# Altium PCB Meter50_v6.PcbDoc (part 3 of 3)
Units mil, origin at the board's own origin, x right, y up, seen from the top; angles counter-clockwise.
Board outline 6230.47 x 4006.06 mil, 2 copper layers (Top Layer, Top, Bottom Layer, Bottom); 337 components, 363 nets, 1191 pads, 241 vias.
Unrouted connection lines stored in the file: 2.
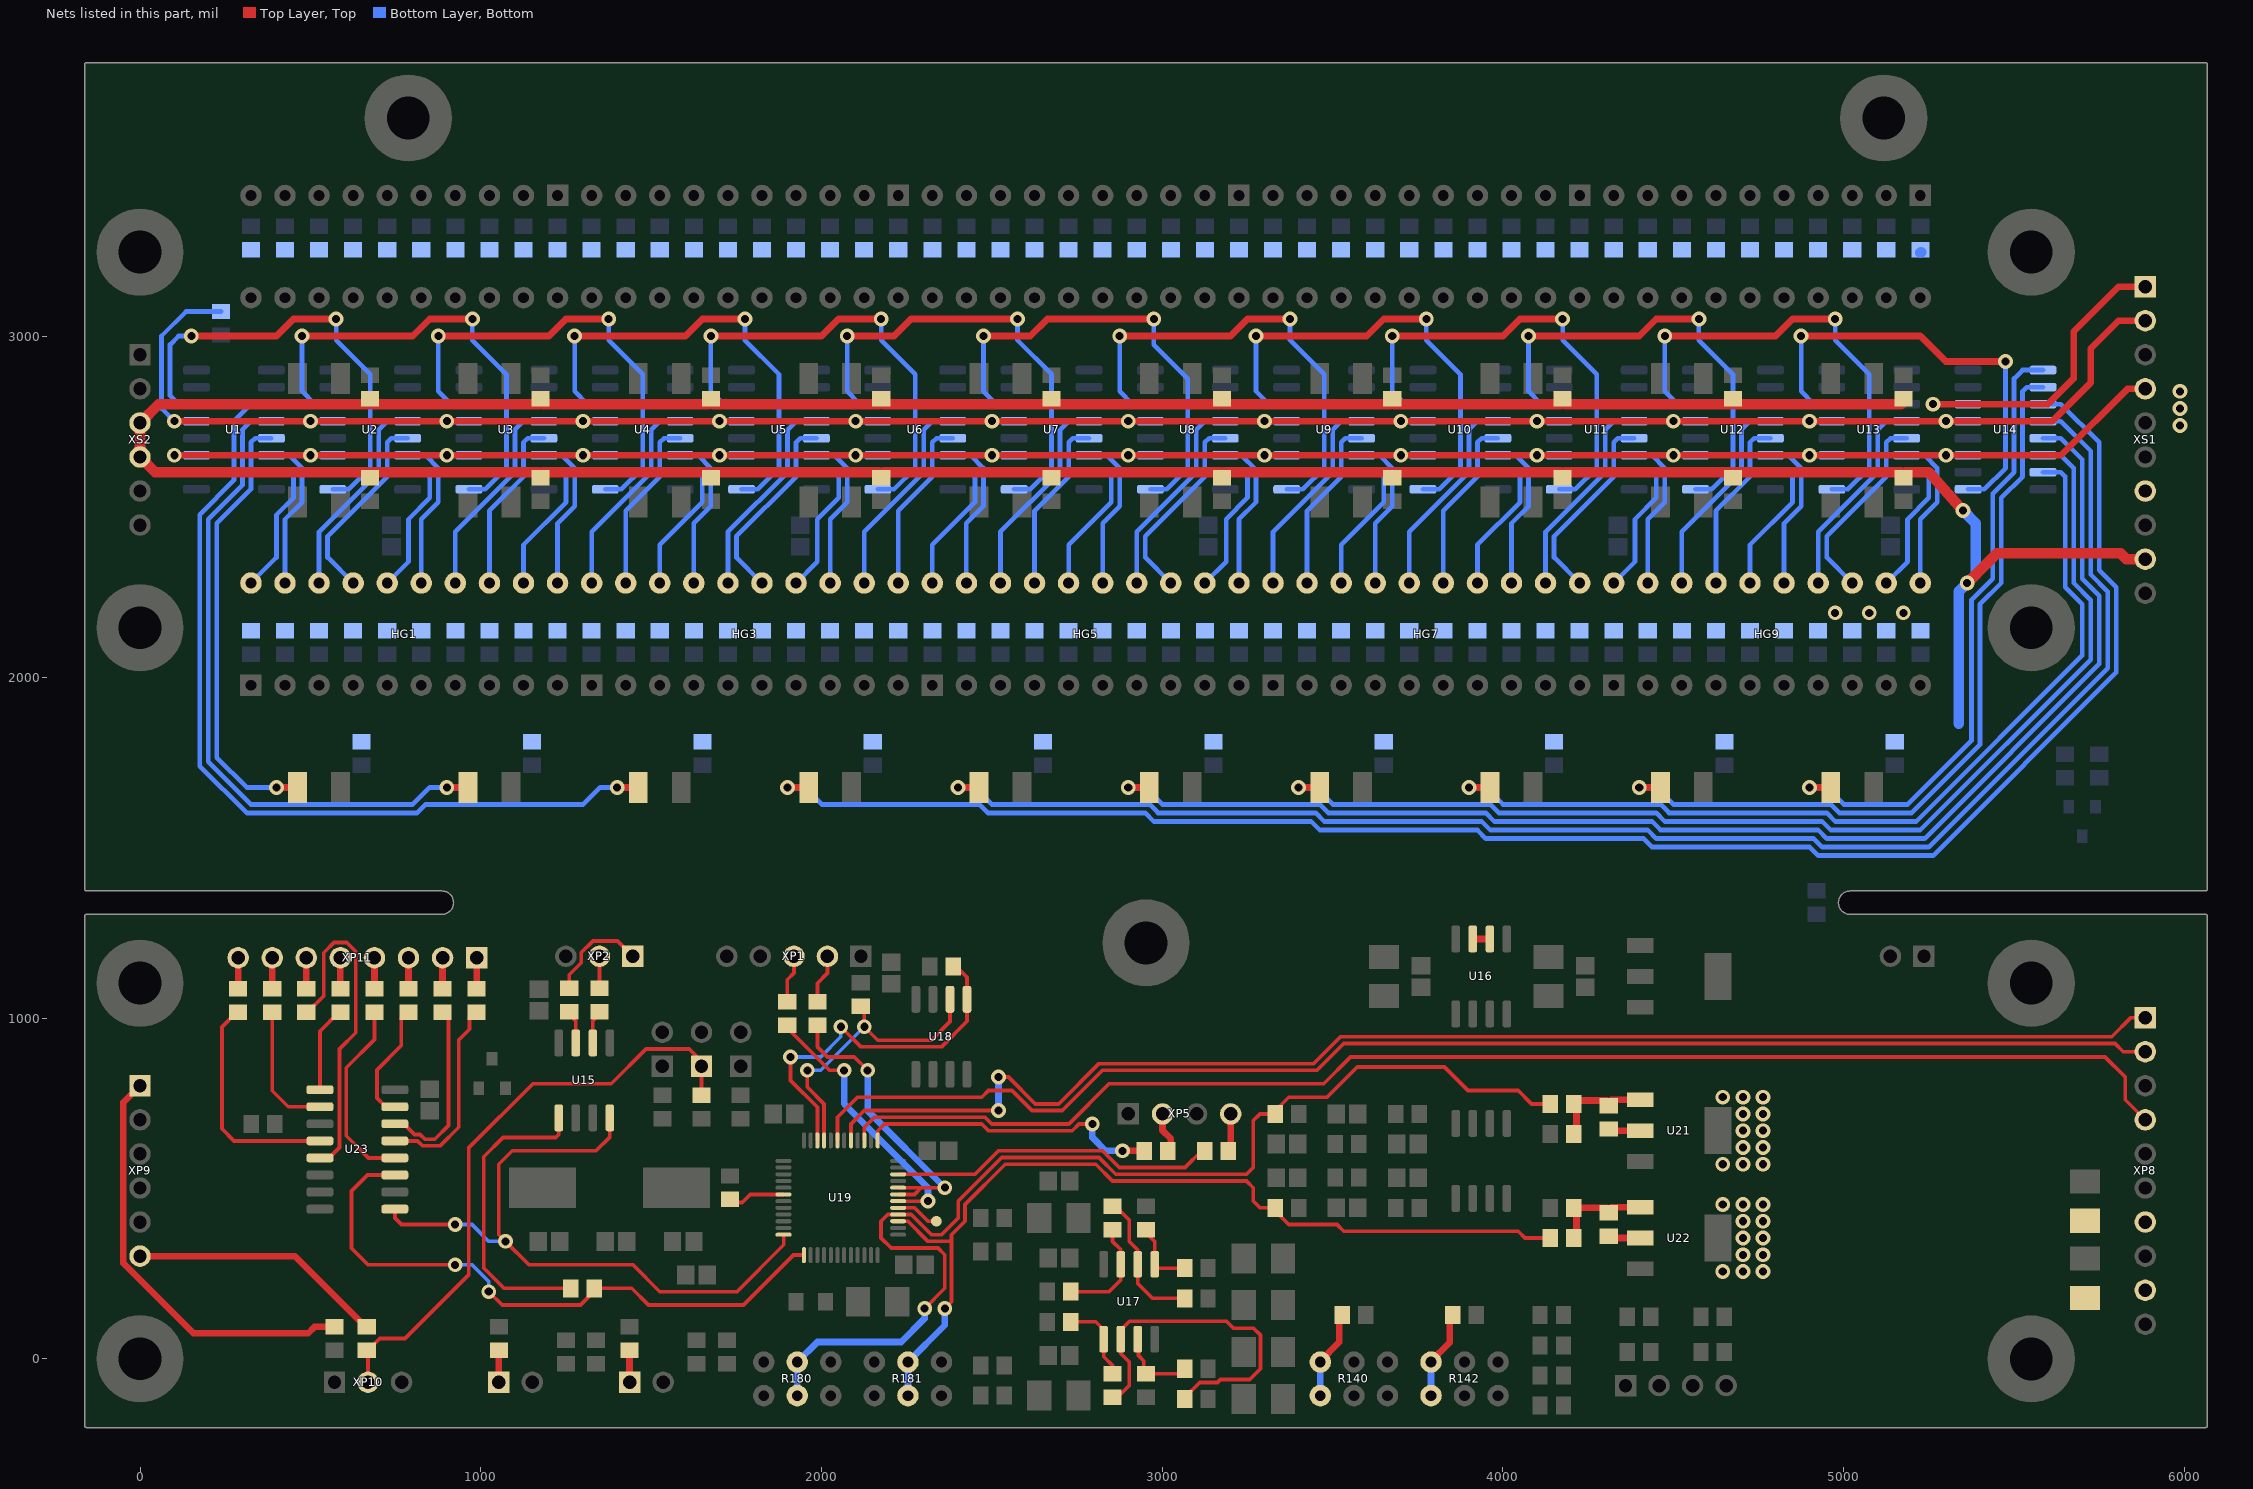
[diagram p3: the nets of this part, all layers, seen from the top]

## Via types
v1: diameter 43.31, hole 23.62, Top Layer, Top to Bottom Layer, Bottom, 241 vias

## Nets (pads, with @x,y where several pads share a name; then routed paths per layer and width w, separated by ;. In a path a pad name is that pad's centre, name@x,y a point inside that pad or via, vN(x,y) a via of type N, cw(c..) or ccw(c..) an arc to the next point about the centre after c; other vN are vias at no path point) (continued)
NetR140_1: pad.0@3464.57,-108.27 R140.1 R141.2 | length 260.4
  Top Layer, Top w19.68: R140.1@3464.57,-9.84 3462.99,-8.27 3519.69,48.43 R141.2@3519.69,127.95
  Bottom Layer, Bottom w19.68: pad.0@3464.57,-108.27 R140.1@3464.57,-9.84
NetR142_1: pad.0@3789.37,-108.27 R142.1 R143.2 | length 260.4
  Top Layer, Top w19.68: R142.1@3789.37,-9.84 3787.8,-8.27 3844.49,48.43 R143.2@3844.49,127.95
  Bottom Layer, Bottom w19.68: pad.0@3789.37,-108.27 R142.1@3789.37,-9.84
NetR144_1: R144.1 R148.2 U17.2 | length 1038.4
  Top Layer, Top w11: R148.2@2854.33,-122.05 2860.24,-122.05 2903.54,-78.74 2903.54,-9.84 2878.54,15.16 U17.2@2878.54,57.32 2878.54,83.9 2904.71,110.07 3189.25,110.07 3209.64,89.67 3268.18,89.67 3288.57,69.28 3288.57,-29.59 3257.33,-60.84 3171.66,-60.84 3163.02,-69.48 3110.64,-69.48 3065.94,-114.17 R144.1@3065.94,-118.11
NetR145_1: R145.1 R149.2 U17.3 | length 219.1
  Top Layer, Top w11: U17.3@2928.54,57.32 2930.52,55.35 2930.52,9.44 2945.82,-5.86 2945.82,-27.56 2947.79,-29.53 R149.2@2952.76,-29.53 ; R149.2@2952.76,-44.29 3051.18,-44.29 R145.1@3065.94,-29.53
NetR146_1: R146.1 R150.2 U17.6 | length 413.1
  Top Layer, Top w11: R150.2@2854.33,456.69 2903.54,407.48 2903.54,344.49 2928.54,319.49 U17.6@2928.54,277.32 2928.54,221.06 2972.44,177.17 R146.1@3057.09,177.17
NetR147_1: R147.1 R151.2 U17.5 | length 186.8
  Top Layer, Top w11: R151.2@2952.76,370.08 2978.54,344.29 U17.5@2978.54,277.32 2990.12,265.75 R147.1@3057.09,265.75
NetR148_1: R148.1 R159.2 U17.1 | length 229
  Top Layer, Top w11: R159.2@2740.16,108.27 2805.12,108.27 2828.54,84.84 U17.1@2828.54,57.32 2828.54,6.1 2854.33,-19.69 R148.1@2854.33,-35.43
NetR150_1: R150.1 R160.2 U17.7 | length 301.7
  Top Layer, Top w11: R160.2@2740.16,196.85 2844.49,196.85 2878.54,230.91 U17.7@2878.54,277.32 2878.54,320.28 2854.33,344.49 R150.1@2854.33,370.08
NetR163_1: R163.1 XP5.2 | length 118.4
  Top Layer, Top w19.68: XP5.2@3001.18,718.5 3001.18,670.08 3025.59,645.67 R163.1@3025.59,610.24
NetR163_2: R163.2 U19.37 | length 882.3
  Top Layer, Top w11: U19.37@2165.35,640.75 2165.35,669.29 2185.04,688.98 2470.47,688.98 2490.16,669.29 2736.22,669.29 2755.91,688.98 v1(2795.28,688.98)
  Top Layer, Top w19.68: v1(2883.86,610.24) R163.2@2938.98,610.24
  Bottom Layer, Bottom w19.68: v1(2795.28,688.98) 2795.28,649.61 2834.65,610.24 v1(2883.86,610.24)
NetR164_1: R164.1 U19.34 | length 960.1
  Top Layer, Top w11: U19.34@2225.39,541.34 2450.79,541.34 2519.69,610.24 2824.8,610.24 2874.02,561.02 3066.93,561.02 R164.1@3116.14,610.24
NetR164_2: R164.2 XP5.4 | length 108.9
  Top Layer, Top w19.68: XP5.4@3201.18,718.5 3201.18,611.81 R164.2@3202.76,610.24
NetR171_2: R171.2 XP6.1 | length 84.6
  Top Layer, Top w19.7: XP6.1@1053.15,-68.9 R171.2@1053.15,15.75
NetR172_2: R172.2 XP7.1 | length 84.6
  Top Layer, Top w19.7: XP7.1@1437.01,-68.9 R172.2@1437.01,15.75
NetR173_2: R173.2 R175.1 R198.2 U21.1 | length 285.4
  Top Layer, Top w19.68: R173.2@4216.54,659.45 4216.54,748.03 4226.38,757.87 4305.12,757.87 4311.02,751.97 4318.9,759.84 U21.1@4403.54,759.84
NetR174_2: R174.2 R176.1 R199.2 U22.1 | length 281.3
  Top Layer, Top w19.68: R199.2@4216.54,354.33 4216.54,442.91 4305.12,442.91 4311.02,437.01 4318.9,444.88 U22.1@4403.54,444.88
NetR177_1: R177.1 XP1.2 | length 136.2
  Top Layer, Top w11: R177.1@1988.19,1057.09 1988.19,1102.36 2017.72,1131.89 XP1.2@2017.72,1181.1
NetR178_1: R178.1 XP1.3 | length 132.2
  Top Layer, Top w11: R178.1@1899.61,1057.09 1899.61,1112.2 1919.29,1131.89 XP1.3@1919.29,1181.1
NetR179_1: R179.1 U19.6 | length 166.3
  Top Layer, Top w11: R179.1@1732.28,458.66 1767.72,458.66 1791.34,482.28 U19.6@1888.78,482.28
NetR184_1: R184.1 XP9.1 | length 1253.9
  Top Layer, Top w19.68: XP9.1@0,801.18 -49.21,751.97 -49.21,280.8 156.78,74.8 493.7,74.8 512.4,93.5 R184.1@570.87,93.5
NetR185_1: R185.1 XP9.6 | length 751.5
  Top Layer, Top w19.68: XP9.6@0,301.18 454.29,301.18 661.65,93.82 R185.1@665.59,93.82
NetR186_1: R186.1 XP11.1 | length 81.7
  Top Layer, Top w19.68: R186.1@988.09,1095.18 XP11.1@988.09,1176.87
NetR186_2: R186.2 U23.13 | length 574
  Top Layer, Top w11: U23.13@748.09,639.37 814.36,639.37 828.26,625.47 881.69,625.47 935.59,679.37 935.59,935.52 967.02,966.94 967.02,1000.28 975.3,1008.56 R186.2@988.09,1008.56
NetR187_1: R187.1 XP11.2 | length 81.7
  Top Layer, Top w19.68: R187.1@888.09,1095.18 XP11.2@888.09,1176.87
NetR187_2: R187.2 U23.14 | length 533
  Top Layer, Top w11: U23.14@748.09,689.37 774.67,689.37 805.79,658.24 822.18,658.24 836.08,644.34 865.1,644.34 905.59,684.83 905.59,1000.28 888.45,1017.42 R187.2@888.09,1017.42
NetR188_1: R188.1 XP11.3 | length 81.7
  Top Layer, Top w19.68: R188.1@788.09,1095.18 XP11.3@788.09,1176.87
NetR188_2: R188.2 U23.15 | length 356.2
  Top Layer, Top w11: U23.15@748.09,739.37 721.52,739.37 695.35,765.54 695.35,847.32 767.02,918.99 767.02,1000.28 784.15,1017.42 R188.2@788.09,1017.42
NetR189_1: R189.1 XP11.4 | length 81.7
  Top Layer, Top w19.68: R189.1@688.09,1095.18 XP11.4@688.09,1176.87
NetR189_2: R189.2 U23.12 | length 557.9
  Top Layer, Top w11: R189.2@688.09,1008.56 688.09,936.87 605.59,854.37 605.59,654.25 670.47,589.37 U23.12@748.09,589.37
NetR190_1: R190.1 XP11.5 | length 81.7
  Top Layer, Top w19.68: R190.1@588.09,1095.18 XP11.5@588.09,1176.87
NetR190_2: R190.2 U23.1 | length 255.2
  Top Layer, Top w11: U23.1@528.09,789.37 528.09,961.36 584.15,1017.42 R190.2@588.09,1017.42
NetR191_1: R191.1 XP11.6 | length 81.7
  Top Layer, Top w19.68: R191.1@488.09,1095.18 XP11.6@488.09,1176.87
NetR191_2: R191.2 U23.5 | length 979.8
  Top Layer, Top w11: R191.2@488.09,1017.42 492.03,1017.42 539.34,1064.73 539.34,1191.57 569.5,1221.74 606.68,1221.74 632.96,1195.46 632.96,956.74 585.59,909.37 585.59,620.3 554.67,589.37 U23.5@528.09,589.37
NetR192_1: R192.1 XP11.7 | length 81.7
  Top Layer, Top w19.68: R192.1@388.09,1095.18 XP11.7@388.09,1176.87
NetR192_2: R192.2 U23.2 | length 381.6
  Top Layer, Top w11: R192.2@388.09,1008.56 388.09,786.41 435.13,739.37 U23.2@528.09,739.37
NetR193_1: R193.1 XP11.8 | length 81.7
  Top Layer, Top w19.68: R193.1@288.09,1095.18 XP11.8@288.09,1176.87
NetR193_2: R193.2 U23.4 | length 666.8
  Top Layer, Top w11: R193.2@288.09,1017.42 284.15,1017.42 240.56,973.83 240.56,674.86 276.05,639.37 U23.4@528.09,639.37
NetR194_1: R194.1 U15.1 | length 894.3
  Top Layer, Top w11: U15.1@1229.13,706.93 1229.13,658.27 1220.47,649.61 1065.83,649.61 1008.86,592.64 1008.86,266.1 1068.27,206.69 R194.1@1255.91,206.69
NetR196_1: R196.1 U15.7 | length 90.9
  Top Layer, Top w11: R196.1@1259.84,1009.84 1279.13,990.55 U15.7@1279.13,926.93
NetR196_2: R196.2 XP2.1 | length 303.6
  Top Layer, Top w11: R196.2@1259.84,1087.6 1259.84,1126.92 1295.28,1162.35 1295.28,1191.98 1329.67,1226.38 1401.57,1226.38 XP2.1@1446.85,1181.1
NetR197_1: R197.1 U15.6 | length 90.9
  Top Layer, Top w11: U15.6@1329.13,926.93 1329.13,990.55 R197.1@1348.43,1009.84
NetR197_2: R197.2 XP2.2 | length 84.6
  Top Layer, Top w11: R197.2@1348.43,1096.46 XP2.2@1348.43,1181.1
NetTP1_1: TP1.1 U19.29 | length 128.5
  Top Layer, Top w11: U19.29@2225.39,442.91 2273.62,442.91 2312.99,403.54 TP1.1@2337.6,403.54
NetU16_6: U16.6 U16.7 | length 50
  Top Layer, Top w19.68: U16.7@3912.01,1232.05 U16.6@3962.01,1232.05
OE: R1.1 U1.13 U2.13 U3.13 U4.13 U5.13 U6.13 U7.13 U8.13 U9.13 U10.13 U11.13 U12.13 U13.13 U14.13 XS1.2 | length 7346.3
  Top Layer, Top w19.68: v1(100.59,2751.87) v1(500.59,2751.87) v1(900.59,2751.87) v1(1300.59,2751.87) v1(1700.59,2751.87) v1(2100.59,2751.87) v1(2500.59,2751.87) v1(2900.59,2751.87) v1(3300.59,2751.87) v1(3700.59,2751.87) v1(4100.59,2751.87) v1(4500.59,2751.87) v1(4900.59,2751.87) v1(5300.59,2751.87) 5613.09,2751.87 5725.59,2864.37 5725.59,2964.37 5808.07,3046.85 XS1.2@5885.83,3046.85
  Bottom Layer, Bottom w13.78: U1.13@165.59,2751.87 v1(100.59,2751.87) 63.09,2789.37 63.09,3001.87 135.04,3073.82 R1.1@238.09,3073.82 ; v1(500.59,2751.87) U2.13@565.59,2751.87 ; v1(900.59,2751.87) U3.13@965.59,2751.87 ; v1(1300.59,2751.87) U4.13@1365.59,2751.87 ; v1(1700.59,2751.87) U5.13@1765.59,2751.87 ; v1(2100.59,2751.87) U6.13@2165.59,2751.87 ; v1(2500.59,2751.87) U7.13@2565.59,2751.87 ; v1(2900.59,2751.87) U8.13@2965.59,2751.87 ; v1(3300.59,2751.87) U9.13@3365.59,2751.87 ; v1(3700.59,2751.87) U10.13@3765.59,2751.87 ; v1(4100.59,2751.87) U11.13@4165.59,2751.87 ; v1(4500.59,2751.87) 4538.09,2751.87 U12.13@4565.59,2751.87 ; v1(4900.59,2751.87) U13.13@4965.59,2751.87 ; v1(5300.59,2751.87) U14.13@5365.59,2751.87
OEP: U19.43 XP8.2 | length 4055.1
  Top Layer, Top w11: U19.43@2047.24,640.75 2047.24,708.66 2106.3,767.72 2470.47,767.72 2490.16,787.4 2559.06,787.4 2618.11,728.35 2706.69,728.35 2824.8,846.46 3454.72,846.46 3533.46,925.2 5797.24,925.2 5821.26,901.18 XP8.2@5885.83,901.18
PWMBL: pad.0@2253.94,-9.84 R166.2 R181.2 R199.1 U19.27 | length 2681.6
  Top Layer, Top w11: U19.27@2225.39,403.54 2253.94,403.54 2312.99,344.49 2381.89,344.49 ; v1(2362.2,147.64) 2381.89,167.32 2381.89,344.49 ; R199.1@4129.92,354.33 4064.96,354.33 4045.28,374.02 3533.46,374.02 3513.78,393.7 3372.05,393.7 3322.83,442.91 3287.4,442.91 3267.72,462.6 3267.72,501.97 3248.03,521.65 2854.33,521.65 2805.12,570.87 2539.37,570.87 2421.26,452.76 2421.26,403.54 2381.89,364.17 2381.89,344.49
  Bottom Layer, Bottom w19.68: R181.2@2253.94,-108.27 pad.0@2253.94,-9.84 2362.2,98.43 v1(2362.2,147.64)
PWMUV: pad.0@1929.13,-9.84 R165.2 R180.2 R198.1 U19.28 | length 3379.9
  Top Layer, Top w11: v1(2303.15,147.64) 2362.2,206.69 2362.2,305.12 2342.52,324.8 2204.72,324.8 2175.2,354.33 2175.2,403.54 2194.88,423.23 U19.28@2225.39,423.23 2263.78,423.23 2322.83,364.17 2352.36,364.17 2401.57,413.39 2401.57,462.6 2529.53,590.55 2814.96,590.55 2864.17,541.34 3248.03,541.34 3267.72,561.02 3267.72,698.82 3287.4,718.5 3322.83,718.5 3372.05,767.72 3484.25,767.72 3572.83,856.3 3828.74,856.3 3897.64,787.4 4045.28,787.4 4084.65,748.03 R198.1@4129.92,748.03
  Bottom Layer, Bottom w19.68: R180.2@1929.13,-108.27 pad.0@1929.13,-9.84 1988.19,49.21 2234.25,49.21 2303.15,118.11 v1(2303.15,147.64)
R01: HG1.20 U1.7 | length 434.5
  Bottom Layer, Bottom w13.78: HG1.20@325.59,2276.87 400.59,2351.87 400.59,2476.87 450.59,2526.87 450.59,2589.37 438.09,2601.87 U1.7@385.59,2601.87
R02: HG1.19 U1.6 | length 463.7
  Bottom Layer, Bottom w13.78: U1.6@385.59,2651.87 438.09,2651.87 475.59,2614.37 475.59,2514.37 425.59,2464.37 HG1.19@425.59,2276.87
R03: HG1.18 U2.4 | length 617.8
  Bottom Layer, Bottom w13.78: HG1.18@525.59,2276.87 525.59,2426.87 700.59,2601.87 700.59,2726.87 725.59,2751.87 U2.4@785.59,2751.87
R04: HG1.17 U2.5 | length 581.2
  Bottom Layer, Bottom w13.78: HG1.17@625.59,2276.87 550.59,2351.87 550.59,2414.37 725.59,2589.37 725.59,2689.37 738.09,2701.87 U2.5@785.59,2701.87
R05: HG1.16 U2.7 | length 434.5
  Bottom Layer, Bottom w13.78: HG1.16@725.59,2276.87 788.09,2339.37 788.09,2464.37 850.59,2526.87 850.59,2589.37 838.09,2601.87 U2.7@785.59,2601.87
R06: HG1.15 U2.6 | length 463.7
  Bottom Layer, Bottom w13.78: U2.6@785.59,2651.87 838.09,2651.87 875.59,2614.37 875.59,2514.37 825.59,2464.37 HG1.15@825.59,2276.87
R07: HG1.14 U3.4 | length 617.8
  Bottom Layer, Bottom w13.78: HG1.14@925.59,2276.87 925.59,2426.87 1100.59,2601.87 1100.59,2726.87 1125.59,2751.87 U3.4@1185.59,2751.87
R08: HG1.13 U3.5 | length 519.1
  Bottom Layer, Bottom w13.78: HG1.13@1025.59,2276.87 1025.59,2489.37 1125.59,2589.37 1125.59,2689.37 1138.09,2701.87 U3.5@1185.59,2701.87
R09: HG1.12 U3.7 | length 434.5
  Bottom Layer, Bottom w13.78: HG1.12@1125.59,2276.87 1125.59,2389.37 1250.59,2514.37 1250.59,2589.37 1238.09,2601.87 U3.7@1185.59,2601.87
R10: HG1.11 U3.6 | length 463.7
  Bottom Layer, Bottom w13.78: U3.6@1185.59,2651.87 1238.09,2651.87 1275.59,2614.37 1275.59,2501.87 1225.59,2451.87 HG1.11@1225.59,2276.87
R11: HG3.20 U4.4 | length 617.8
  Bottom Layer, Bottom w13.78: HG3.20@1325.59,2276.87 1325.59,2426.87 1500.59,2601.87 1500.59,2726.87 1525.59,2751.87 U4.4@1585.59,2751.87
R12: HG3.19 U4.5 | length 519.1
  Bottom Layer, Bottom w13.78: HG3.19@1425.59,2276.87 1425.59,2489.37 1525.59,2589.37 1525.59,2689.37 1538.09,2701.87 U4.5@1585.59,2701.87
R13: HG3.18 U4.7 | length 434.5
  Bottom Layer, Bottom w13.78: HG3.18@1525.59,2276.87 1525.59,2389.37 1650.59,2514.37 1650.59,2589.37 1638.09,2601.87 U4.7@1585.59,2601.87
R14: HG3.17 U4.6 | length 463.7
  Bottom Layer, Bottom w13.78: U4.6@1585.59,2651.87 1638.09,2651.87 1675.59,2614.37 1675.59,2501.87 1625.59,2451.87 HG3.17@1625.59,2276.87
R15: HG3.16 U5.4 | length 617.8
  Bottom Layer, Bottom w13.78: HG3.16@1725.59,2276.87 1725.59,2426.87 1900.59,2601.87 1900.59,2726.87 1925.59,2751.87 U5.4@1985.59,2751.87
R16: HG3.15 U5.5 | length 581.2
  Bottom Layer, Bottom w13.78: HG3.15@1825.59,2276.87 1750.59,2351.87 1750.59,2414.37 1925.59,2589.37 1925.59,2689.37 1938.09,2701.87 U5.5@1985.59,2701.87
R17: HG3.14 U5.7 | length 434.5
  Bottom Layer, Bottom w13.78: HG3.14@1925.59,2276.87 1988.09,2339.37 1988.09,2464.37 2050.59,2526.87 2050.59,2589.37 2038.09,2601.87 U5.7@1985.59,2601.87
R18: HG3.13 U5.6 | length 463.7
  Bottom Layer, Bottom w13.78: U5.6@1985.59,2651.87 2038.09,2651.87 2075.59,2614.37 2075.59,2514.37 2025.59,2464.37 HG3.13@2025.59,2276.87
R19: HG3.12 U6.4 | length 617.8
  Bottom Layer, Bottom w13.78: HG3.12@2125.59,2276.87 2125.59,2426.87 2300.59,2601.87 2300.59,2726.87 2325.59,2751.87 U6.4@2385.59,2751.87
R20: HG3.11 U6.5 | length 519.1
  Bottom Layer, Bottom w13.78: HG3.11@2225.59,2276.87 2225.59,2489.37 2325.59,2589.37 2325.59,2689.37 2338.09,2701.87 U6.5@2385.59,2701.87
R21: HG5.20 U6.7 | length 434.5
  Bottom Layer, Bottom w13.78: HG5.20@2325.59,2276.87 2325.59,2389.37 2450.59,2514.37 2450.59,2589.37 2438.09,2601.87 U6.7@2385.59,2601.87
R22: HG5.19 U6.6 | length 463.7
  Bottom Layer, Bottom w13.78: U6.6@2385.59,2651.87 2438.09,2651.87 2475.59,2614.37 2475.59,2501.87 2425.59,2451.87 HG5.19@2425.59,2276.87
R23: HG5.18 U7.4 | length 617.8
  Bottom Layer, Bottom w13.78: HG5.18@2525.59,2276.87 2525.59,2426.87 2700.59,2601.87 2700.59,2726.87 2725.59,2751.87 U7.4@2785.59,2751.87
R24: HG5.17 U7.5 | length 519.1
  Bottom Layer, Bottom w13.78: HG5.17@2625.59,2276.87 2625.59,2489.37 2725.59,2589.37 2725.59,2689.37 2738.09,2701.87 U7.5@2785.59,2701.87
R25: HG5.16 U7.7 | length 434.5
  Bottom Layer, Bottom w13.78: HG5.16@2725.59,2276.87 2725.59,2389.37 2850.59,2514.37 2850.59,2589.37 2838.09,2601.87 U7.7@2785.59,2601.87
R26: HG5.15 U7.6 | length 463.7
  Bottom Layer, Bottom w13.78: U7.6@2785.59,2651.87 2838.09,2651.87 2875.59,2614.37 2875.59,2501.87 2825.59,2451.87 HG5.15@2825.59,2276.87
R27: HG5.14 U8.4 | length 617.8
  Bottom Layer, Bottom w13.78: HG5.14@2925.59,2276.87 2925.59,2426.87 3100.59,2601.87 3100.59,2726.87 3125.59,2751.87 U8.4@3185.59,2751.87
R28: HG5.13 U8.5 | length 581.2
  Bottom Layer, Bottom w13.78: HG5.13@3025.59,2276.87 2950.59,2351.87 2950.59,2414.37 3125.59,2589.37 3125.59,2689.37 3138.09,2701.87 U8.5@3185.59,2701.87
R29: HG5.12 U8.7 | length 434.5
  Bottom Layer, Bottom w13.78: HG5.12@3125.59,2276.87 3188.09,2339.37 3188.09,2464.37 3250.59,2526.87 3250.59,2589.37 3238.09,2601.87 U8.7@3185.59,2601.87
R30: HG5.11 U8.6 | length 460.8
  Bottom Layer, Bottom w13.78: U8.6@3185.59,2651.87 3186.89,2650.58 3234.39,2650.58 3275.59,2609.37 3275.59,2514.37 3225.59,2464.37 HG5.11@3225.59,2276.87
R31: HG7.20 U9.4 | length 617.8
  Bottom Layer, Bottom w13.78: HG7.20@3325.59,2276.87 3325.59,2426.87 3500.59,2601.87 3500.59,2726.87 3525.59,2751.87 U9.4@3585.59,2751.87
R32: HG7.19 U9.5 | length 519.1
  Bottom Layer, Bottom w13.78: HG7.19@3425.59,2276.87 3425.59,2489.37 3525.59,2589.37 3525.59,2689.37 3538.09,2701.87 U9.5@3585.59,2701.87
R33: HG7.18 U9.7 | length 434.5
  Bottom Layer, Bottom w13.78: HG7.18@3525.59,2276.87 3525.59,2389.37 3650.59,2514.37 3650.59,2589.37 3638.09,2601.87 U9.7@3585.59,2601.87
R34: HG7.17 U9.6 | length 463.7
  Bottom Layer, Bottom w13.78: U9.6@3585.59,2651.87 3638.09,2651.87 3675.59,2614.37 3675.59,2501.87 3625.59,2451.87 HG7.17@3625.59,2276.87
R35: HG7.16 U10.4 | length 617.8
  Bottom Layer, Bottom w13.78: HG7.16@3725.59,2276.87 3725.59,2426.87 3900.59,2601.87 3900.59,2726.87 3925.59,2751.87 U10.4@3985.59,2751.87
R36: HG7.15 U10.5 | length 519.1
  Bottom Layer, Bottom w13.78: HG7.15@3825.59,2276.87 3825.59,2489.37 3925.59,2589.37 3925.59,2689.37 3938.09,2701.87 U10.5@3985.59,2701.87
R37: HG7.14 U10.7 | length 434.5
  Bottom Layer, Bottom w13.78: HG7.14@3925.59,2276.87 3925.59,2389.37 4050.59,2514.37 4050.59,2589.37 4038.09,2601.87 U10.7@3985.59,2601.87
R38: HG7.13 U10.6 | length 463.7
  Bottom Layer, Bottom w13.78: U10.6@3985.59,2651.87 4038.09,2651.87 4075.59,2614.37 4075.59,2501.87 4025.59,2451.87 HG7.13@4025.59,2276.87
R39: HG7.12 U11.4 | length 617.8
  Bottom Layer, Bottom w13.78: HG7.12@4125.59,2276.87 4125.59,2426.87 4300.59,2601.87 4300.59,2726.87 4325.59,2751.87 U11.4@4385.59,2751.87
R40: HG7.11 U11.5 | length 581.2
  Bottom Layer, Bottom w13.78: HG7.11@4225.59,2276.87 4150.59,2351.87 4150.59,2414.37 4325.59,2589.37 4325.59,2689.37 4338.09,2701.87 U11.5@4385.59,2701.87
R41: HG9.20 U11.7 | length 434.5
  Bottom Layer, Bottom w13.78: HG9.20@4325.59,2276.87 4388.09,2339.37 4388.09,2464.37 4450.59,2526.87 4450.59,2589.37 4438.09,2601.87 U11.7@4385.59,2601.87
R42: HG9.19 U11.6 | length 463.7
  Bottom Layer, Bottom w13.78: U11.6@4385.59,2651.87 4438.09,2651.87 4475.59,2614.37 4475.59,2514.37 4425.59,2464.37 HG9.19@4425.59,2276.87
R43: HG9.18 U12.4 | length 617.8
  Bottom Layer, Bottom w13.78: HG9.18@4525.59,2276.87 4525.59,2426.87 4700.59,2601.87 4700.59,2726.87 4725.59,2751.87 U12.4@4785.59,2751.87
R44: HG9.17 U12.5 | length 519.1
  Bottom Layer, Bottom w13.78: HG9.17@4625.59,2276.87 4625.59,2489.37 4725.59,2589.37 4725.59,2689.37 4738.09,2701.87 U12.5@4785.59,2701.87
R45: HG9.16 U12.7 | length 434.5
  Bottom Layer, Bottom w13.78: HG9.16@4725.59,2276.87 4725.59,2389.37 4850.59,2514.37 4850.59,2589.37 4838.09,2601.87 U12.7@4785.59,2601.87
R46: HG9.15 U12.6 | length 463.7
  Bottom Layer, Bottom w13.78: U12.6@4785.59,2651.87 4838.09,2651.87 4875.59,2614.37 4875.59,2501.87 4825.59,2451.87 HG9.15@4825.59,2276.87
R47: HG9.14 U13.4 | length 617.8
  Bottom Layer, Bottom w13.78: HG9.14@4925.59,2276.87 4925.59,2426.87 5100.59,2601.87 5100.59,2726.87 5125.59,2751.87 U13.4@5185.59,2751.87
R48: HG9.13 U13.5 | length 581.2
  Bottom Layer, Bottom w13.78: HG9.13@5025.59,2276.87 4950.59,2351.87 4950.59,2414.37 5125.59,2589.37 5125.59,2689.37 5138.09,2701.87 U13.5@5185.59,2701.87
R49: HG9.12 U13.7 | length 434.5
  Bottom Layer, Bottom w13.78: HG9.12@5125.59,2276.87 5188.09,2339.37 5188.09,2464.37 5250.59,2526.87 5250.59,2589.37 5238.09,2601.87 U13.7@5185.59,2601.87
R50: HG9.11 U13.6 | length 463.7
  Bottom Layer, Bottom w13.78: U13.6@5185.59,2651.87 5238.09,2651.87 5275.59,2614.37 5275.59,2514.37 5225.59,2464.37 HG9.11@5225.59,2276.87
RXD1: R177.2 U19.31 U19.32 | length 882.4
  Top Layer, Top w11: R177.2@1988.19,970.47 1988.19,915.35 2017.72,885.83 2096.46,885.83 v1(2135.83,846.46) ; U19.31@2225.39,482.28 2273.62,482.28 2293.31,501.97 ; U19.32@2225.39,501.97 2293.31,501.97 ; v1(2362.2,501.97) 2293.31,501.97
  Bottom Layer, Bottom w19.68: v1(2135.83,846.46) 2135.83,728.35 v1(2362.2,501.97)
RXD2: R194.2 U19.13 U23.11 | length 1831.3
  Top Layer, Top w11: U23.11@748.09,539.37 667.32,539.37 620.59,492.64 620.59,324.37 669.37,275.59 v1(925.2,275.59) ; v1(1023.62,196.85) 1062.99,157.48 1293.31,157.48 1342.52,206.69 1443.27,206.69 1492.48,157.48 1771.65,157.48 1918.31,304.13 U19.13@1948.82,304.13
  Bottom Layer, Bottom w11: v1(925.2,275.59) 974.41,275.59 1023.62,226.38 v1(1023.62,196.85)